# KiCad board Zynq_SoM.kicad_pcb (continued)
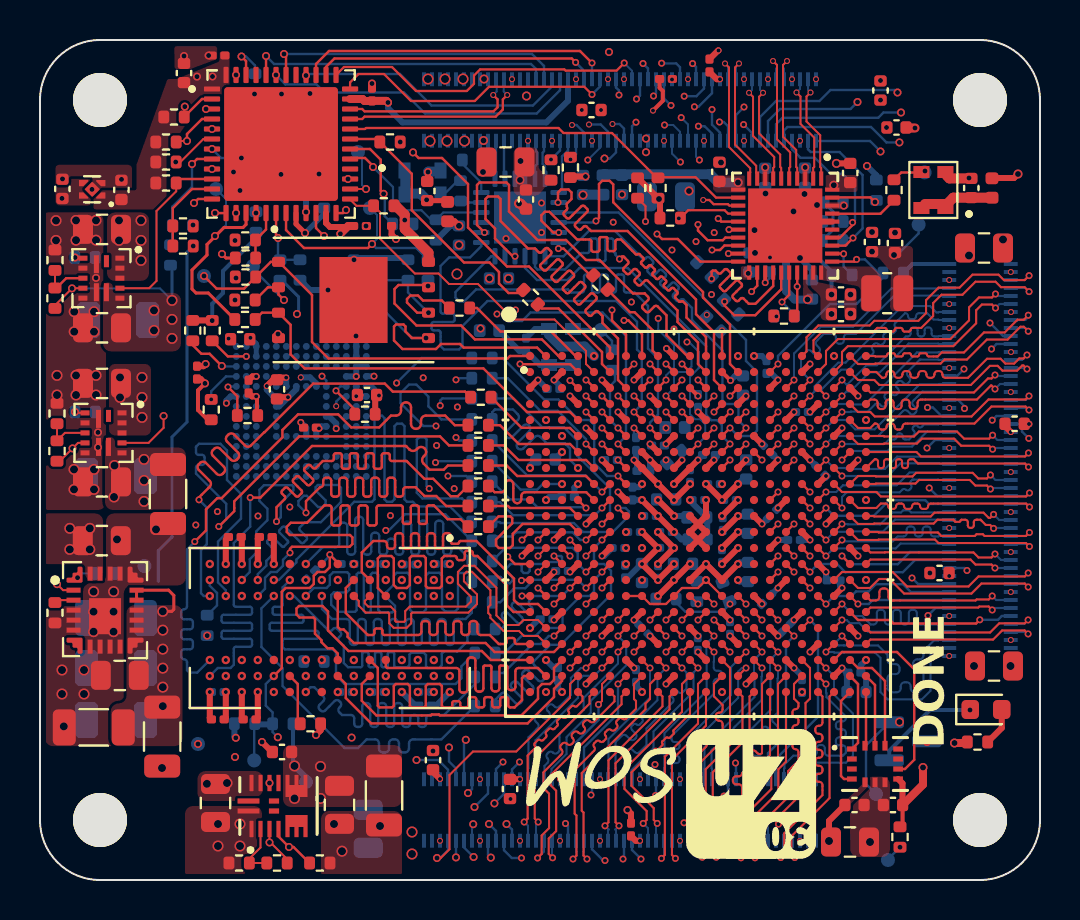
[diagram p0: board, top side]
## Routing (per net, layer and track width the routed paths; a pad name or vN(x,y) marks a point on that pad's centre or on a via; arc(x,y) is an arc through that point) (continued)
  L8 (Sig) w0.12: v1(32.21,39.19) 32.82,39.19 33.2,39.57 J1.71
SENSE_1V0: length 4.2
  L1 (Sig) w0.12: R78.2 R79.1 6.64,33.59 7.6,34.55 U9.11
SENSE_1V8: length 3.4
  L1 (Sig) w0.12: v4(11.9,32.1) 11.8,32.2 U9.18
  L8 (Sig) w0.12: v4(11.9,32.1) 11.9,31.11 R80.2 R81.1
SENSE_1V35: length 2.5
  L1 (Sig) w0.12: U9.17 11.3,32.53 R85.1 10.77,31.11 10.78,31.1
SENSE_3V3: length 5.6
  L1 (Sig) w0.12: U9.8 7.85,36.05 v4(7.6,35.8)
  L8 (Sig) w0.12: R82.2 6.62,31.86 6.62,32.72 R83.1 6.61,33.67 7.6,34.65 v4(7.6,35.8)
STM32_BOOT0: length 24.2
  L1 (Sig) w0.12: U9.46 10.3,40.95 v4(10.08,41.17)
  L6 (Sig+Pwr) w0.12: v1(30.15,40.83) 29.75,40.42 28.75,40.42 27.9,41.28 13.25,41.28 12.72,40.75 10.5,40.75 v4(10.08,41.17)
  L8 (Sig) w0.12: v1(30.15,40.83) 30.4,40.58 J1.57 ; v4(10.08,41.17) 10.3,41.17 10.75,40.72 R4.1
STM32_DAC1: length 25.7
  L1 (Sig) w0.12: U9.12 7.9,34.05 v4(7.7,33.85)
  L6 (Sig+Pwr) w0.12: v4(7.7,33.85) 7.88,34.03 8.78,34.03 9.67,34.92 10.36,34.92 14.66,39.22 16.92,39.22 16.98,39.28 22.01,39.28 22.39,39.67 28.53,39.67 v1(28.95,39.25)
  L8 (Sig) w0.12: J1.49 28.8,39.62 28.95,39.47 v1(28.95,39.25)
STM32_DAC2: length 25.2
  L1 (Sig) w0.12: v4(8.75,33.35) 8.75,33.35 U9.13
  L6 (Sig+Pwr) w0.12: v1(29.82,39.05) 29.53,38.75 28.7,38.75 28.57,38.88 26.64,38.88 26.49,38.72 22.88,38.72 22.65,38.49 16.19,38.49 11.62,33.92 9.58,33.92 9,33.35 v4(8.75,33.35)
  L8 (Sig) w0.12: v1(29.82,39.05) 30,39.22 J1.55
STM32_GPIO1: length 13.7
  L8 (Sig) w0.12: v4(13.3,40.22) 13.38,40.3 18,40.3 19.58,38.72 24.65,38.72 25.6,39.68 J1.33
STM32_GPIO2: length 16.1
  L1 (Sig) w0.12: U9.43 11.8,40.25
  L6 (Sig+Pwr) w0.12: v4(11.8,40.25) 11.88,40.25
  L8 (Sig) w0.12: v4(11.8,40.25) 12.27,39.78 13.82,39.78 14.22,39.38 18.2,39.38 19.25,38.33 24.84,38.33 26,39.49 J1.35
STM32_GPIO3: length 15.7
  L1 (Sig) w0.12: U9.39 13.8,40.8 14.45,41.45 27,41.45 v1(27.6,40.85)
  L8 (Sig) w0.12: v1(27.6,40.85) J1.43
STM32_GPIO4: length 14.2
  L1 (Sig) w0.12: v1(26.78,40.88) 26.59,41.08 14.72,41.08 14.3,40.66 U9.38
  L8 (Sig) w0.12: v1(26.78,40.88) 27.2,40.46 J1.41
STM32_GPIO5: length 16.9
  L1 (Sig) w0.11: v1(29.21,40.85) 28.83,40.47 26.28,40.47 26.22,40.53 22,40.53 21.7,40.22 21.7,39.81 21.34,39.45 18.8,39.45 17.6,40.65 15.2,40.65 U9.37
  L8 (Sig) w0.1: J1.53 29.6,40.46 v1(29.21,40.85)
STM32_GPIO6: length 14.5
  L1 (Sig) w0.11: v1(27.6,39.28) 27.22,39.66 22.45,39.66 21.74,38.95 18.55,38.95 17.2,40.3 15.92,40.3 15.5,39.88 U9.36
  L8 (Sig) w0.12: v1(27.6,39.28) 28,39.67 J1.45
STM32_GPIO7: length 23.2
  L1 (Sig) w0.12: v4(14.2,32.2) 13.8,32.6 U9.22
  L6 (Sig+Pwr) w0.12: v1(30.68,39.2) 29.75,38.28 28.51,38.28 28.21,37.97 27.88,37.97 27.72,38.14 24.06,38.14 23.53,37.6 17,37.6 14.2,34.8 v4(14.2,32.2)
  L8 (Sig) w0.12: J1.59 30.8,39.33 v1(30.68,39.2)
STM32_GPIO8: length 18.3
  L1 (Sig) w0.12: U9.24 15.15,33.35 v4(15.3,33.5)
  L6 (Sig+Pwr) w0.12: v1(29.8,37.89) 29.31,37.89 28.78,37.35 24.2,37.35 22.75,35.9 17.8,35.9 17.1,35.2 16.31,35.2 15.3,34.19 v4(15.3,33.5)
  L8 (Sig) w0.12: v1(29.8,37.89) 29.6,37.69 J1.54
STM32_NRST: length 23.7
  L6 (Sig+Pwr) w0.12: v4(8.6,36.55) 11.83,39.78 13.85,39.78 14.72,40.65 25.78,40.65 25.95,40.47 27.97,40.47 v2(28.4,40.04)
  L8 (Sig) w0.12: R3.2 9.43,36.89 C13.1 9.05,36.1 v4(8.6,36.55)
STM32_SCL: length 13.3
  L1 (Sig) w0.12: U9.31 16.85,37.05 18.59,35.31 18.59,33.48 21.2,30.88 22.47,30.88 22.95,30.4 22.95,29.83 23.43,29.35 24.02,29.35 R96.1
STM32_SDA: length 24.4
  L1 (Sig) w0.12: U2.E6 v1(28.1,23.4) ; v4(17.18,34.31) 17.03,34.45 17.03,36.02 16.5,36.55 U9.30
  L6 (Sig+Pwr) w0.12: v1(28.1,23.4) 27.81,23.4 27.4,23.81 27.18,23.81 26.89,24.1 26.89,25.41 25,27.3 25,31.4 22.88,33.53 17.97,33.53 v4(17.18,34.31)
  L8 (Sig) w0.12: v4(17.18,34.31) 17.24,34.25 17.24,33.19 R87.2
STM32_USB_CC1: length 15.2
  L1 (Sig) w0.12: U9.44 v4(11.3,41.2)
  L8 (Sig) w0.12: J1.29 24.8,40.55 24.55,40.8 11.7,40.8 v4(11.3,41.2)
STM32_USB_CC2: length 15
  L1 (Sig) w0.12: U9.42 12.3,41.2 v4(12.2,41.3)
  L8 (Sig) w0.12: J1.31 25.2,40.7 24.6,41.3 v4(12.2,41.3)
STM32_USB_D_N: length 9.4
  L1 (Sig) w0.115: U9.33 16.11,38.05 16.23,38.17 22.78,38.17 23.14,38.53 23.14,39.03 v2(23.36,39.25)
  L8 (Sig) w0.1: 23.19,39.92 23.19,39.42 v2(23.36,39.25)
STM32_USB_D_P: length 9
  L1 (Sig) w0.115: U9.34 16.11,38.55 16.23,38.43 22.68,38.43 22.88,38.63 22.88,39.03 v2(22.66,39.25)
  L8 (Sig) w0.1: v2(22.66,39.25) 22.84,39.42 22.84,39.92
USB_D+: length 2
  L8 (Sig) w0.115: U5.6 25.25,35.68 25.13,35.8 25.13,36.37 25.2,36.43 J1.32
USB_D-: length 2
  L8 (Sig) w0.115: U5.5 24.75,35.68 24.87,35.8 24.87,36.37 24.8,36.43 J1.30
USB_ID: length 1.9
  L8 (Sig) w0.12: U5.1 22.8,35.11 J1.20
USB_PHY_RST: length 8.5
  L1 (Sig) w0.12: U9.29 15.55,36.1 16.25,36.1 16.65,35.7 v4(16.65,35.65)
  L8 (Sig) w0.11: v4(16.65,35.65) 17.65,34.65 17.65,33.82 17.98,33.49 19.07,33.49 19.55,33.01 R5.2 20.17,33.38 U5.22
USB_ULPI_CLKOUT: length 4.5
  L1 (Sig) w0.12: U2.A9 30.63,26.47 30.63,27.49 29.73,28.39 29.5,28.39 28.39,29.5 R22.2
USB_ULPI_DATA0: length 25
  L1 (Sig) w0.12: 29.29,24.61 29.29,24.6 ; v1(23.75,31.19) 23.64,31.19 22.75,32.08 22.75,32.58 22.28,33.05 22.28,34.05 22.4,34.17 22.9,34.17 23.03,34.05 23.03,32.95 24.4,31.58 24.75,31.58 24.94,31.39 arc(25.01,31.36) 25.08,31.39 25.27,31.57 arc(25.34,31.6) 25.41,31.57 25.55,31.43 arc(25.58,31.36) 25.55,31.29 25.03,30.78 arc(25,30.71) 25.03,30.64 25.18,30.49 arc(25.25,30.46) 25.32,30.49 25.83,31.01 arc(25.9,31.04) 25.97,31.01 26.11,30.87 arc(26.14,30.8) 26.11,30.73 25.6,30.21 arc(25.57,30.14) 25.6,30.07 25.74,29.93 arc(25.81,29.9) 25.88,29.93 26.4,30.44 arc(26.47,30.47) 26.54,30.44 26.68,30.3 arc(26.71,30.23) 26.68,30.16 26.17,29.65 arc(26.14,29.57) 26.17,29.5 26.31,29.36 arc(26.38,29.33) 26.45,29.36 26.96,29.88 arc(27.03,29.91) 27.1,29.88 27.25,29.74 arc(27.27,29.66) 27.25,29.59 26.73,29.08 arc(26.7,29.01) 26.73,28.94 26.87,28.8 arc(26.94,28.77) 27.01,28.8 27.53,29.31 arc(27.6,29.34) 27.67,29.31 27.81,29.17 arc(27.84,29.1) 27.81,29.03 27.3,28.51 arc(27.27,28.44) 27.3,28.37 27.44,28.23 arc(27.51,28.2) 27.58,28.23 27.77,28.42 arc(27.84,28.45) 27.91,28.42 28.12,28.2 28.12,27.85 28.9,27.08 28.9,25 U2.C7
USB_ULPI_DATA1: length 17.9
  L1 (Sig) w0.12: U2.G13 v1(34.5,21.8)
  L8 (Sig) w0.12: U5.15 24.25,30.6 24.85,30 26.38,30 26.97,30.6 29.39,30.6 33.31,26.68 33.31,23.25 33.57,22.99 33.86,22.99 34.09,22.76 34.09,22.21 v1(34.5,21.8)
USB_ULPI_DATA2: length 18.1
  L1 (Sig) w0.12: v1(28.97,31.05) 29.1,31.17 29.18,31.17 29.4,30.95 arc(29.43,30.88) 29.4,30.81 29.19,30.6 arc(29.16,30.53) 29.19,30.46 29.33,30.32 arc(29.4,30.29) 29.47,30.32 29.68,30.53 arc(29.75,30.56) 29.82,30.53 29.96,30.39 arc(29.99,30.32) 29.96,30.25 29.75,30.03 arc(29.72,29.96) 29.75,29.89 29.89,29.75 arc(29.96,29.72) 30.03,29.75 30.25,29.96 arc(30.32,29.99) 30.39,29.96 31.88,28.47 31.88,27.9 32.9,26.88 32.9,25.8 U2.B12
  L8 (Sig) w0.12: U5.14 24.75,30.65 24.88,30.53 26.25,30.53 27.07,31.35 27.38,31.35 arc(27.45,31.38) 27.47,31.45 27.47,31.98 arc(27.5,32.05) 27.57,32.08 27.78,32.08 arc(27.85,32.05) 27.88,31.98 27.88,31.02 arc(27.9,30.95) 27.97,30.92 28.18,30.92 arc(28.25,30.95) 28.28,31.02 28.28,31.98 arc(28.3,32.05) 28.38,32.08 28.57,32.08 arc(28.65,32.05) 28.68,31.98 28.68,31.45 arc(28.7,31.38) 28.78,31.35 28.78,31.25 v1(28.97,31.05)
USB_ULPI_DATA3: length 20.1
  L1 (Sig) w0.12: 34.91,22.2 U2.F14 v1(35.3,22.6)
  L8 (Sig) w0.12: U5.13 26.18,31.19 27.45,32.46 28.74,32.46 30.12,31.08 arc(30.2,31.05) 30.28,31.08 30.32,31.12 arc(30.4,31.16) 30.48,31.12 30.64,30.96 arc(30.67,30.88) 30.64,30.8 30.4,30.56 arc(30.36,30.48) 30.4,30.4 30.55,30.24 arc(30.63,30.21) 30.71,30.24 30.96,30.49 arc(31.04,30.52) 31.12,30.49 31.27,30.33 arc(31.31,30.25) 31.27,30.17 31.03,29.93 arc(31,29.85) 31.03,29.77 31.19,29.61 arc(31.27,29.57) 31.35,29.61 31.59,29.85 arc(31.67,29.88) 31.75,29.85 31.91,29.69 arc(31.94,29.61) 31.91,29.53 31.67,29.29 arc(31.64,29.21) 31.67,29.13 31.83,28.97 arc(31.91,28.94) 31.99,28.97 32.03,29.01 arc(32.11,29.05) 32.19,29.01 32.6,28.6 32.6,28 34.12,26.48 34.12,23.98 34.3,23.8 34.72,23.8 34.92,23.6 34.92,22.98 v1(35.3,22.6)
USB_ULPI_DATA4: length 17.6
  L1 (Sig) w0.12: v1(25.94,32.38) 25.66,32.38 25.07,32.97 25.07,33.24 25.24,33.41 25.47,33.41 26.85,32.03 27.47,32.03 arc(27.54,32) 27.57,31.92 27.57,31.51 arc(27.6,31.44) 27.67,31.41 27.87,31.41 arc(27.94,31.44) 27.97,31.51 27.97,32.08 arc(27.99,32.13) 28.03,32.14 28.31,32.14 arc(28.35,32.13) 28.37,32.08 28.37,31.55 arc(28.4,31.48) 28.47,31.45 28.67,31.45 arc(28.74,31.48) 28.77,31.55 28.77,31.92 arc(28.8,32) 28.87,32.03 29.05,32.03 29.79,31.29 arc(29.83,31.27) 29.88,31.29 arc(29.93,31.31) 29.98,31.29 30.17,31.1 arc(30.19,31.05) 30.17,31.01 30.07,30.91 arc(30.05,30.86) 30.07,30.81 30.25,30.63 arc(30.3,30.61) 30.35,30.63 30.45,30.72 arc(30.5,30.74) 30.55,30.72 30.73,30.54 arc(30.75,30.49) 30.73,30.44 30.63,30.34 arc(30.61,30.29) 30.63,30.25 30.82,30.06 arc(30.87,30.04) 30.92,30.06 31.01,30.16 arc(31.06,30.18) 31.11,30.16 31.3,29.97 arc(31.32,29.92) 31.3,29.88 31.2,29.78 arc(31.18,29.73) 31.2,29.68 31.38,29.49 arc(31.43,29.47) 31.48,29.49 31.58,29.59 arc(31.63,29.61) 31.68,29.59 31.86,29.41 arc(31.88,29.36) 31.86,29.31 31.77,29.21 arc(31.75,29.16) 31.77,29.12 31.96,28.92 arc(32,28.9) 32.05,28.93 arc(32.1,28.95) 32.15,28.92 32.32,28.75 32.32,28.12 33.3,27.15 U2.A12
USB_ULPI_DATA5: length 16.6
  L1 (Sig) w0.12: U2.B14 34.5,25.8 34.5,27.77 33.15,29.12 33.15,29.4 28.66,33.89 28.66,34.78 28.48,34.96 28.11,34.96 27.95,34.8 27.95,33.1 v1(27.8,32.95)
  L8 (Sig) w0.12: U5.10 27.72,32.88 v1(27.8,32.95)
USB_ULPI_DATA6: length 19
  L1 (Sig) w0.12: v1(34.5,22.6) U2.F13 34.11,22.2
  L8 (Sig) w0.12: v1(34.5,22.6) 34.9,22.2 35.58,22.2 35.85,22.47 35.85,25.4 35.3,25.95 35.3,27 28.93,33.38 U5.9
USB_ULPI_DATA7: length 18
  L1 (Sig) w0.12: v1(25.9,33.88) 25.9,34.38 26.05,34.53 26.43,34.53 26.57,34.38 26.57,34.05 26.34,33.81 26.34,33.66 arc(26.37,33.59) 26.34,33.52 26.2,33.38 arc(26.17,33.31) 26.2,33.24 26.34,33.1 arc(26.41,33.07) 26.48,33.1 27.08,33.69 arc(27.15,33.72) 27.22,33.69 27.36,33.55 arc(27.39,33.48) 27.36,33.41 26.77,32.82 arc(26.74,32.75) 26.77,32.67 26.91,32.53 arc(26.98,32.5) 27.05,32.53 27.19,32.67 arc(27.26,32.7) 27.33,32.67 27.55,32.45 29.38,32.45 32.8,29.03 32.8,28.29 33.7,27.39 33.7,25 U2.C13
USB_ULPI_DIR: length 25.9
  L1 (Sig) w0.12: U2.E8 v1(29.7,23.4)
  L8 (Sig) w0.12: v1(29.7,23.4) 30.09,23.79 30.09,26.28 29.85,26.53 29.85,27.91 28.81,28.95 22.38,28.95 21.12,27.7 21.12,26.7 20.96,26.53 20.19,26.53 20.03,26.69 20.03,27.38 arc(20,27.45) 19.92,27.48 19.68,27.48 arc(19.61,27.51) 19.58,27.58 19.58,27.8 arc(19.61,27.87) 19.68,27.9 20.63,27.9 arc(20.7,27.93) 20.73,28 20.73,28.22 arc(20.7,28.29) 20.63,28.32 20.14,28.32 arc(20.06,28.35) 20.03,28.42 20.03,30.7 20.46,31.13 21.5,31.13 22.06,31.69 U5.19
USB_ULPI_NXT: length 25.2
  L1 (Sig) w0.12: U2.F9 v1(30.5,22.6)
  L8 (Sig) w0.12: U5.18 22.56,31.19 20.78,29.4 20.78,29.12 20.97,28.92 21.2,28.92 21.81,29.53 26.4,29.53 26.55,29.38 27.1,29.38 arc(27.17,29.4) 27.2,29.47 27.2,30.17 arc(27.23,30.25) 27.3,30.28 27.5,30.28 arc(27.57,30.25) 27.6,30.17 27.6,29.47 arc(27.63,29.4) 27.7,29.38 27.9,29.38 arc(27.97,29.4) 28,29.47 28,30.17 arc(28.03,30.25) 28.1,30.28 28.3,30.28 arc(28.37,30.25) 28.4,30.17 28.4,29.47 arc(28.43,29.4) 28.5,29.38 28.7,29.38 arc(28.77,29.4) 28.8,29.47 28.8,30.17 arc(28.83,30.25) 28.9,30.28 29.1,30.28 arc(29.17,30.25) 29.2,30.17 29.2,29.47 arc(29.23,29.4) 29.3,29.38 29.72,29.38 30.4,28.7 30.4,26.58 30.9,26.08 30.9,23.27 30.5,22.87 v1(30.5,22.6)
USB_ULPI_STP: length 19.2
  L1 (Sig) w0.12: v1(22.22,32.38) 21.85,32.75 21.85,34.75 21.97,34.88 23.32,34.88 23.45,34.75 23.45,33.42 24.88,32 26.3,32 27.3,31 27.97,31 29.65,29.33 30.24,29.33 30.4,29.16 arc(30.44,29.08) 30.4,29 30.14,28.73 arc(30.1,28.65) 30.14,28.57 30.3,28.41 arc(30.38,28.38) 30.46,28.41 30.72,28.68 arc(30.8,28.71) 30.88,28.68 31.32,28.23 31.32,27.23 32.36,26.2 U2.A11
USB_VBUS: length 1.9
  L8 (Sig) w0.12: J1.22 23.2,35.11 U5.2
ZYNQ_BMODE_0: length 10.8
  L1 (Sig) w0.12: v4(16.6,31.8) 16.4,31.6 13.2,31.6 12.3,32.5 U9.19
  L8 (Sig) w0.1: TP10.1 16.85,33.25 16.85,32.05 v4(16.6,31.8)
  L8 (Sig) w0.12: v4(16.6,31.8) 16.8,31.6 18.81,31.6 R6.1
ZYNQ_BMODE_2: length 11
  L1 (Sig) w0.15: U9.15 10.3,32.78 10.15,32.62 9.2,32.62 8.78,32.2 v4(8.75,32.2) 8.75,32.17 8.35,31.78 8.35,31.25 7.6,30.5 7.6,29.55 7.8,29.35 8.42,29.35 R1.1
  L8 (Sig) w0.1: TP9.1 9.3,34.05 9.3,32.75 v4(8.75,32.2)
ZYNQ_PL_DONE: length 17.9
  L1 (Sig) w0.1: U2.T12 v1(33.7,13.8)
  L6 (Sig+Pwr) w0.12: v1(33.7,13.8) 34.06,13.44 36.37,13.44 36.97,14.05 38.29,14.05 39.33,13.01 39.33,12.15 42.97,8.5 v5(42.97,7.9)
  L8 (Sig) w0.12: TP3.1 41.3,4.8 41.3,6.72 Q3.2
ZYNQ_PL_INITB: length 16.8
  L1 (Sig) w0.1: U2.T14 v1(35.3,13.8)
  L4 (Sig+Pwr) w0.1: v1(35.3,13.8) 35.7,13.4 35.7,10.51 41.55,4.66 41.55,4.65 43,3.2 v4(43,1.64)
  L8 (Sig) w0.12: v4(43,1.64) 42.4,1.04 TP2.1
ZYNQ_PL_PROGB: length 59.1
  L1 (Sig) w0.1: U2.T11 v1(32.9,13.8)
  L4 (Sig+Pwr) w0.1: v1(32.9,13.8) 32.7,13.6 29.9,13.6 29.3,14.2 27,14.2 26.8,14 26.8,12.6 25.9,11.7 24.48,11.7 20.96,8.18 16.64,8.18 v4(15.58,7.12)
  L6 (Sig+Pwr) w0.1: v4(9.8,33.35) 10.22,32.92 10.22,27.78 9.95,27.5 9.95,23.75 6.5,20.3 6.5,15.5 7.1,14.9 7.1,7.6 v4(7.9,6.8) 8.1,6.6 10.7,6.6 11.03,6.27 14.73,6.27 v4(15.58,7.12)
ZYNQ_PS_MIO0: length 17.9
  L1 (Sig) w0.12: U2.G6 v1(28.1,21.8)
  L6 (Sig+Pwr) w0.12: v1(28.1,21.8) 28.5,22.2 28.5,23.61 28.31,23.8 27.94,23.8 27.7,24.04 27.7,25.24 28.1,25.64 28.1,26.55 27.1,27.55 27.1,33.22 28.22,34.35 v4(28.22,36.08)
  L8 (Sig) w0.12: v4(28.22,36.08) 28.5,36.08 28.8,36.38 J1.50
ZYNQ_PS_MIO7/VM0: length 14.1
  L1 (Sig) w0.12: R75.2 26.52,36.1 26.53,36.09 ; U2.D5 v1(27.3,24.2)
  L4 (Sig+Pwr) w0.135: v1(26.53,36.03) 26.6,35.95 26.6,26.4 27.7,25.3 27.7,24.6 v1(27.3,24.2)
  L8 (Sig) w0.12: J1.40 26.8,36.3 v1(26.53,36.03)
ZYNQ_PS_MIO8\VM1: length 17.2
  L1 (Sig) w0.12: U2.E5 v1(27.3,23.4)
  L4 (Sig+Pwr) w0.12: v1(23.78,28.5) 24.55,29.28 24.55,35.03 v1(25.55,36.03)
  L6 (Sig+Pwr) w0.12: v1(23.78,28.5) 23.78,26.97 25.22,25.53 25.86,25.53 26.11,25.28 26.11,24.08 26.37,23.82 26.7,23.82 27.12,23.4 v1(27.3,23.4)
  L8 (Sig) w0.12: J1.36 26,36.47 v1(25.55,36.03)
ZYNQ_PS_MIO9: length 17.4
  L1 (Sig) w0.12: v1(26.5,24.98) 26.88,24.6 U2.C4
  L4 (Sig+Pwr) w0.135: v2(28.62,37.8) 28.62,37.03 28.12,36.53 26.35,36.53 26.03,36.2 26.03,35.42 25.5,34.9 25.5,25.97 v1(26.5,24.98)
  L8 (Sig) w0.12: J1.52 29.2,37.57 28.97,37.8 v2(28.62,37.8)
ZYNQ_PS_MIO10: length 28.5
  L1 (Sig) w0.12: U2.G7 v1(28.9,21.8)
  L4 (Sig+Pwr) w0.135: v1(22.85,28.3) 21.66,29.49 21.66,35.71 24,38.05 26.3,38.05 v2(26.6,37.75)
  L8 (Sig) w0.12: J1.42 27.2,37.38 26.83,37.75 v2(26.6,37.75) ; v1(28.9,21.8) 29.3,22.2 29.3,27.2 28.12,28.38 24.53,28.38 24.1,27.95 23.53,27.95 23.18,28.3 v1(22.85,28.3)
ZYNQ_PS_MIO11: length 20.8
  L1 (Sig) w0.12: U2.B4 26.51,25.79 24.01,25.79 v1(24,25.8)
  L4 (Sig+Pwr) w0.135: v2(27.45,37.78) 27.05,37.38 24.18,37.38 23.19,36.39 23.19,34.86 22.72,34.39 22.72,30.73 22.93,30.53 22.93,29.4 23.25,29.08 23.25,26.9 24,26.15 v1(24,25.8)
  L8 (Sig) w0.12: J1.48 28.4,37.41 28.03,37.78 v2(27.45,37.78)
ZYNQ_PS_MIO12: length 13.6
  L1 (Sig) w0.12: 27.7,24.62 27.32,25 v1(27.3,25)
  L6 (Sig+Pwr) w0.135: v1(27.3,25) 27.3,26.05 26.35,27 26.35,34.96 v1(27.39,36)
  L8 (Sig) w0.1: J1.46 28,36.61 v1(27.39,36)
ZYNQ_PS_MIO13: length 19.5
  L1 (Sig) w0.12: U2.A6 28.5,26.62 24.45,30.67 23.35,30.67 21.4,32.62 21.4,34.8 20.1,36.1 18.93,36.1 v4(18.65,36.38)
  L6 (Sig+Pwr) w0.12: v4(18.65,36.38) 18.64,36.38 16.53,36.38 15.4,35.25 v4(15.4,35.05)
ZYNQ_PS_POR: length 16.9
  L1 (Sig) w0.1: U2.B5 27.3,25.8 27.3,26.45 25.72,28.03 23.68,28.03 21.9,29.8 20.45,29.8 19.92,30.33 18.75,30.33 17,32.07 17,33.39 R100.2 15.82,33.71 15.5,34.03 U9.25
ZYNQ_PS_SRST: length 30.9
  L1 (Sig) w0.1: R94.2 30.28,33.69 v1(30.28,32.92) ; v4(16.3,34.55) U9.26
  L1 (Sig) w0.12: U2.C9 v1(31.3,25)
  L4 (Sig+Pwr) w0.1: v1(30.91,28.08) 30.91,29.36 30.39,29.88 30.39,32.81 v1(30.28,32.92)
  L6 (Sig+Pwr) w0.1: v4(16.3,34.55) 16.4,34.65 16.86,34.65 17.01,34.8 22.62,34.8 23.22,35.4 24.18,35.4 25.37,36.59 28.66,36.59 29.1,36.15 29.1,35.22 30.28,34.05 v1(30.28,32.92)
  L8 (Sig) w0.1: TP5.1 16.1,36.2 16.1,34.75 v4(16.3,34.55) ; v1(30.91,28.08) 30.91,27.52 31.7,26.73 31.7,25.62 31.3,25.22 v1(31.3,25)
ZYNQ_TCK: length 18.7
  L1 (Sig) w0.12: U2.G11 v1(32.9,21.8)
  L4 (Sig+Pwr) w0.1: v1(32.02,35.9) 31.6,35.48 31.6,34.01 30.98,33.39 30.98,32.82 31.35,32.45 31.35,32.02 31.11,31.78 31.11,29.84 31.35,29.6 31.35,27.1 31.55,26.9 v1(32.35,26.9)
  L8 (Sig) w0.1: J1.64 31.6,36.32 v1(32.02,35.9) ; v1(32.35,26.9) 32.45,26.9 32.94,26.41 32.94,25.6 32.5,25.16 32.5,23.29 32.75,23.04 33.01,23.04 33.26,22.79 33.26,22.16 v1(32.9,21.8)
ZYNQ_TDI: length 23.9
  L1 (Sig) w0.12: U2.H13 v1(34.5,21)
  L6 (Sig+Pwr) w0.1: v1(34.5,21) 34.94,21.44 35.51,21.44 35.72,21.65 35.72,21.93 36.55,22.76 36.55,23.97 37.31,24.73 37.31,25.28 40.05,28.03 40.05,30.61 39.5,31.16 39.5,32.3 36.8,35 35.83,35 35.43,35.4 33.41,35.4 32.97,35.84 v1(32.97,36)
  L8 (Sig) w0.1: J1.70 32.8,36.17 v1(32.97,36)
ZYNQ_TDO: length 25.1
  L1 (Sig) w0.12: U2.G14 v1(35.3,21.8)
  L6 (Sig+Pwr) w0.1: v1(35.3,21.8) 35.3,22.02 35.85,22.58 35.85,25.28 36.97,26.4 37.47,26.4 39.16,28.08 39.16,30.66 35.35,34.47 33.47,34.47 32.71,35.23 31.81,35.23 31.5,35.54 31.5,36.25 31.82,36.57 31.82,37.88 v1(32.06,38.12)
  L8 (Sig) w0.1: J1.68 32.4,37.78 v1(32.06,38.12)
ZYNQ_TMS: length 25.6
  L1 (Sig) w0.12: v1(33.7,21.8) U2.G12
  L6 (Sig+Pwr) w0.1: v1(31.22,37.75) 30.85,37.38 30.85,35.03 32.32,33.55 35.39,33.55 37.35,31.59 37.35,30.95 38.82,29.48 38.82,28.8 34.93,24.91 34.93,22.51 34.59,22.17 34.37,22.17 33.99,21.8 v1(33.7,21.8)
  L8 (Sig) w0.1: v1(31.22,37.75) 31.66,37.75 32,37.41 J1.66
Net-(U3-RSET): length 2.2
  L1 (Sig) w0.12: v4(41.75,33.9) 41.52,34.13 39.62,34.13 U3.39
Net-(U4-FB): length 2.4
  L1 (Sig) w0.1: U4.5 1.25,22.36 R26.2 R23.1
Net-(U6-FB): length 2.5
  L1 (Sig) w0.1: R34.1 R33.2
  L1 (Sig) w0.12: R33.2 0.82,29.6 1.31,30.09 U6.5
Net-(U9-VDDA): length 3.3
  L8 (Sig) w0.3: L5.2 12.94,34.31 C137.1 13.3,34.08 v4(13.3,33.4)
Net-(U9-VREF+): length 2.8
  L1 (Sig) w0.25: U9.20 12.8,32.8 v4(13.25,32.35)
  L8 (Sig) w0.25: C139.1 14.2,33.3 v4(13.25,32.35)
Net-(U10-FB): length 2.8
  L1 (Sig) w0.1: R37.2 R38.1 10.47,1.07 11.03,1.62 U10.2
unconnected-(U2C-IO_L19N_T3_VREF_13-PadT6): length 0
unconnected-(U2C-IO_L20N_T3_13-PadU4): length 0
unconnected-(U2C-IO_L20P_T3_13-PadT4): length 0
  L1 (Sig) w0.1: U2.T4 26.9,14.18
unconnected-(U2C-IO_L22N_T3_13-PadU5): length 0
unconnected-(U2D-IO_L13N_T2_MRCC_33-PadW18): length 0
unconnected-(U9-PB7-Pad45): length 0
  L1 (Sig) w0.12: U9.45 10.8,40.25

## Copper pours and planes (outline as drawn; the poured copper is in the pictures)
+1V0 on L1 (Sig): 4.33,13.74 4.33,8.83 3.54,8.83 3.54,6.69 7.13,6.69 7.13,13.74
+1V0 on L8 (Sig): 6.8,16.3 4.5,16.3 4.5,7 6.8,7
+1V0 on L3 (Pwr): 10.9,20 9,18.1 5.45,18.1 5.45,8.4 21.5,8.4 27.1,13.3 35.42,13.31 35.42,20.01 27.45,20 27.15,19.5 25.8,19.5 25.5,20
+1V0 on L6 (Sig+Pwr): 33.4,21.4 29.9,21.4 29.9,14.2 30.4,13.7 31.8,13.7 32.2,14.1 36.1,14.1 36.6,14.6 36.6,20.7 34.1,20.7
+1V8 on L1 (Sig): 7.3,21.62 3.75,21.62 3.75,22.15 3.25,22.15 3.25,18.5 7.3,18.5
+1V8 on L8 (Sig): 22.47,33.12 20.65,33.12 20.65,32.4 21.22,32.4 21.55,32.67 22.47,32.67
+1V8 on L8 (Sig): 5.9,21.56 3.19,21.56 3.19,18.36 5.9,18.36
+1V8 on L8 (Sig): 29.7,34.9 29.7,33.5 33.8,29.4 33.5,29.1 34.9,27.7 35.7,28.5 35,29.2 35,32.7 37,32.7 37,33.8 31.4,33.8 31.4,34.9
+1V8 on L8 (Sig): 23,31.6 23,29.78 23.72,29.78 23.72,30.38 23.45,30.7 23.45,31.6
+1V8 on L8 (Sig): 29.9,36.17 30.9,36.17 30.9,37.4 29.9,37.4
+1V8 on L3 (Pwr): 28.26,20.2 29.71,18.5 30.4,18.5 30.4,17.17 31.22,17.17 31.75,17.35 32.07,17.8 32.97,18.7 33,19.35 33,20.2
+1V8 on L3 (Pwr): -0.1,42 0,18.2 35.9,18.2 35.9,27.5 50,27.5 50,42
+1V8 on L4 (Sig+Pwr): 29.55,20.3 29.55,13.95 34.6,13.95 34.6,20.3
+1V8 on L6 (Sig+Pwr): 20.2,33.1 20.2,29.1 24.7,29.1 24.7,31.3 22.9,33.1
+1V35 on L1 (Sig): 18.1,3.65 18.1,6.75 12.15,6.75 12.15,3.65
+1V35 on L4 (Sig+Pwr): 9.35,19.5 7.95,18.08 7.95,5.8 10.2,5.8 10.2,0 15.2,0 15.2,7.2 16.7,8.6 20.8,8.6 24.8,12.4 26,12.4 26.5,12.9 26.5,13.9 27.2,14.6 28.95,14.6 28.95,17.65 29.1,17.95 29.1,19.65 27.57,19.65 27.2,20.03 25.88,20.03 25.4,19.45
+1V35 on L6 (Sig+Pwr): 24.62,23.4 24.22,23 24.22,20 26.2,20 27.5,18.7 27.5,16 28.9,16 28.9,18.9 29.1,19.3 29.1,19.78 29,19.9 28.68,19.9 27.79,20.88 27.79,22.38 27.38,22.8 26.4,22.8 26.4,21.9 25.8,21.9 25.8,23 25.4,23.4
+3V3 on L1 (Sig): 7.05,29.36 3.65,29.36 3.65,29.88 3.15,29.88 3.15,26.43 7.05,26.43
+3V3 on L1 (Sig): 38.9,30.73 38.9,29.89 39.85,29.69 39.85,27.97 39.03,27.97 39.03,29.2 38.53,29.66 38.53,30.73
+3V3 on L1 (Sig): 23.68,36.63 23.68,34.22 24.93,34.22 25.31,34.72 25.87,34.72 25.87,35.27 25.31,35.27 24.93,35.56 24.93,36.63
+3V3 on L8 (Sig): 23.88,40.4 23.88,38.95 24.65,38.95 24.65,40.4
+3V3 on L8 (Sig): 23.43,37.33 23.43,34.5 24.5,34.5 24.5,36.88 24.1,36.88 24.1,37.33
+3V3 on L8 (Sig): 6.9,30.2 3.3,30.2 3.3,26.7 6.9,26.7
+3V3 on L3 (Pwr): 5.4,30.6 6.6,30.6 13.1,36.4 22.4,36.45 22.4,42 28.7,42 28.7,36.3 27.5,35.1 27.5,27.1 28.35,26.25 28.35,24.4 26.1,24.4 22.8,27 22.15,27 21.4,27.75 21.4,30.75 17.85,30.75 16.9,29.1 13.1,29.1 12.2,28.25 8.5,28.25 7.1,26.8 5.4,26.8
+3V3 on L4 (Sig+Pwr): 11.5,24 11.5,23.4 12.8,22.1 14.3,22.1 14.3,24.3 13.79,25.1 13.79,29.1 12.5,30.4 9.5,30.4 9.2,29.5 6.2,29.5 6.2,26.3 10.4,26.3 10.4,25.1
+3V3_SC on L1 (Sig): 3.05,34.48 2.67,34.11 2.67,33.53 6.33,33.53 6.33,36.38 6.75,36.98 7.75,38.43 9.47,38.43 9.47,41.42 8.97,41.42 8.97,40.92 6.83,40.05 6.38,40.05 4.83,35.77 4.83,34.48
+3V3_SC on L8 (Sig): 7.6,40.5 8.85,40.5 10.45,38.9 13.9,38.9 14.1,39.1 17.6,39.1 17.6,37.8 17,37.8 15.9,36.7 15.9,32.95 15.25,32.08 14.65,32.08 14.65,35.15 14.1,35.7 11.62,35.7 11.62,34.95 10.45,34.95 10.45,36.45 10.05,36.45 10.05,37.25 7.6,39.7
+VCCO_13 on L8 (Sig): 19.3,0.95 19.3,2.45 19.7,4.55 19.7,5.4 18.85,5.4 18.85,4.6 17.6,2.15 15.69,2.15 15.69,0.95
+VCCO_13 on L3 (Pwr): 15.9,13.22 15.9,0.02 34.7,0 34.73,13.22
+VCCO_33 on L1 (Sig): 41.38,5.12 41.38,4.65 40.53,3.8 40.53,3.62 40,3.62 40,3.95 40.28,3.95 41.12,4.8 41.12,5.12
+VCCO_33 on L8 (Sig): 38.62,5.4 38.62,4.55 38.3,2.45 38.3,1.6 39.85,1.6 39.85,5.4
+VCCO_33 on L3 (Pwr): 44.9,9.8 44.9,12.1 43.6,13.2 39.07,13.2 38.75,13.65 37.28,13.65 37,13.2 33.18,13.2 33.18,11.1 32.3,10.22 32.3,5.9 28.8,3.4 28.8,2 28.1,1.3 28.1,0 50,0 50,9.8
+VCCO_34 on L3 (Pwr): 42,24.25 35.4,20.1 35.42,13.31 36.9,13.3 37.2,13.8 38.8,13.8 39.2,13.3 43.7,13.3 45,12.1 45,9.7 50,9.7 50,24.25
+VCCO_35 on L8 (Sig): 48.89,30.7 48.03,30.7 45.93,30.3 45.08,30.3 45.08,31.58 48.89,31.58
+VCCO_35 on L3 (Pwr): 40.6,39.6 40.6,29.95 35.9,29.95 35.9,20.1 40.3,20.1 44.2,24 50,24 50,34.9 48.3,34.9 48.3,39.6
/Ethernet PHY/1V0_ETH on L1 (Sig): 43.65,28.45 43.65,31.7 41.55,31.7 41.55,31.1 41.95,31.1 42.55,30.4 42.5,28.45
/Ethernet PHY/1V0_ETH on L3 (Pwr): 43,32.1 43,30 35.15,30 35.15,33.2 36.05,35.85 38.5,35.85 39.1,34.36 40.5,34.36 41.45,32.1
/Ethernet PHY/3V3A_ETH on L1 (Sig): 40.88,34.4 39.25,34.4 39.25,35.25 40.88,35.25
/Ethernet PHY/3V3A_ETH on L1 (Sig): 35.28,34.38 33.65,34.38 33.65,35.22 35.28,35.22
/Ethernet PHY/3V3A_ETH on L3 (Pwr): 34.6,36.45 34.6,34.5 40.55,34.5 40.55,36.45
/Zynq Power/VCCPLL on L8 (Sig): 31.72,22.95 31.72,21.25 32.17,20.6 32.17,20.27 32.72,20.27 32.72,20.75 32.52,21.05 32.52,22.95
GND on L1 (Sig): 14.05,0 18.1,0 18.1,3.45 14.05,3.45
GND on L1 (Sig): 7.53,40.55 8.86,41.05 8.86,41.69 6.72,41.69 6.72,40.55
GND on L1 (Sig): 0.78,34.06 4.6,34.06 4.6,35.76 0.78,35.76
GND on L1 (Sig): 3.3,14.84 2.15,14.84 2.15,13.69 0.25,13.69 0.25,6.69 4.18,6.69 4.19,14.73 7.29,14.73 7.29,18.33 3.3,18.33
GND on L1 (Sig): 3.15,26.23 3.17,33.38 0,33.38 0,26.23
GND on L1 (Sig): 7.25,0 11.1,0 11.1,3.7 7.25,3.7
GND on L1 (Sig): 3.3,18.5 3.3,26.53 0,26.53 0,18.5
GND on L1 (Sig): 42.5,1.15 42.5,5.16 41.4,5.16 40.5,4.2 40.51,1.15
GND on L8 (Sig): -1.6,35.4 -1.5,7 6.8,7 6.8,35.41
GND on L8 (Sig): 21.85,35.15 22.55,35.15 22.55,37.36 21.85,37.36
GND on L2 (Gnd), L5 (Gnd), L7 (Gnd): 0,42 0,0 50,0 50,42
GND on L4 (Sig+Pwr): 15.45,0 15.45,6.7 15.9,6.7 16.9,7.9 20.5,7.9 20.5,7.3 19.9,6.8 19.3,6.8 18.9,6.4 18.4,6.4 18.4,5.9 18.9,5.6 21.1,5.6 21.1,3.8 21.5,3.4 22.5,3.4 23.3,2.15 25.9,2.15 26.5,2.8 29.1,2.8 29.1,2.4 27.7,1.2 27.7,0.7 28.7,0.7 30.65,3 32.6,3 33.7,4 33.7,9.15 34.9,10.35 36.4,10.35 36.4,14.8 46.7,14.8 46.7,15.9 44.85,17.8 42,17.8 44.3,20.2 47.65,20.2 48,20.6 49.6,20.6 49.6,22.8 48.9,22.1 47.9,22.1 47.9,22.9 47.5,23.3 47.5,37.7 45.9,39.6 40.3,39.7 40.3,38.4 41.5,37.4 41.5,34.4 42.9,33.01 42.9,29.95 40.3,27.4 37.2,27.4 35.8,26 35.35,26 35.35,30.55 35.45,30.9 35.45,33.2 36.7,33.2 35.7,34 32.9,41 30.3,41 28.9,39.6 28.9,38.4 21.7,38.4 21.7,42 50.1,42 50.5,0.2
GND on L6 (Sig+Pwr): 10.3,31.9 10.3,27 12.1,27 12.4,27.5 12.4,29.4 20,29.4 20,33.2 18.2,33.2 17,34.1 15.3,34.1 15.3,31.9
GND on L6 (Sig+Pwr): 0,42 0,34.5 1.6,34.5 1.6,35.4 3.1,36.9 3.4,36.9 5.6,39.1 9.3,39.1 9.3,42
GND on L6 (Sig+Pwr): 50.1,0 32.7,0 32.7,1.6 39.1,5.1 39.1,10 44.4,16.3 45.7,16.3 48.4,19 48.4,26.8 47.9,28.1 46.5,28.1 45.6,27.2 45.3,27.3 45.3,33.9 40.3,39.2 31.2,39.2 31.2,42 50.1,42
